# KiCad board Video Board - Memory.kicad_pcb (continued)
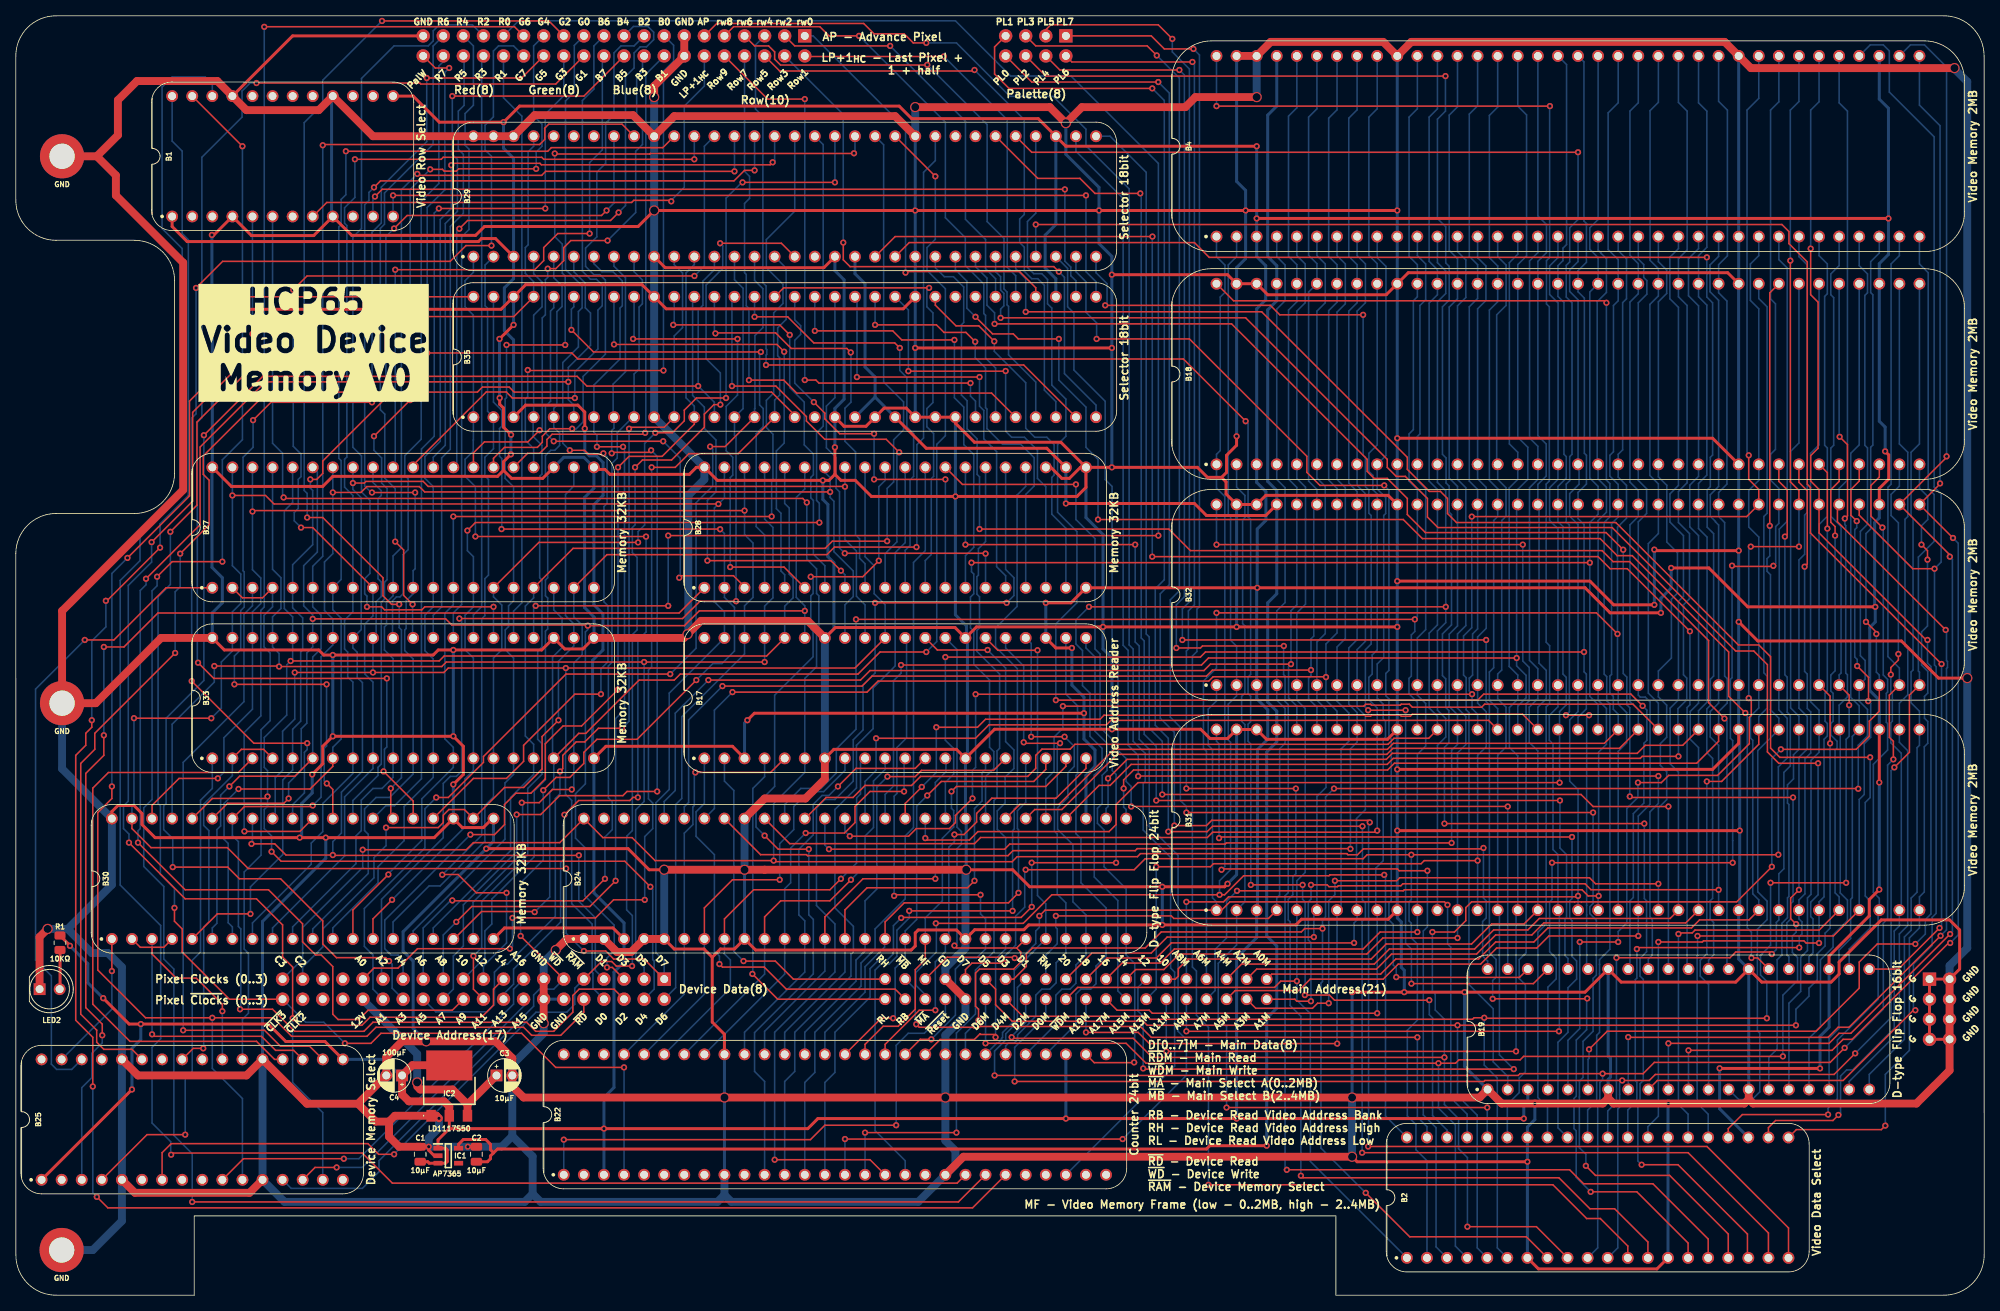
[diagram p0: board, top side]
## Routing (per net, layer and track width the routed paths; a pad name or vN(x,y) marks a point on that pad's centre or on a via; arc(x,y) is an arc through that point) (continued)
/AD0: length 137.4
  Top w0.2: v1(79.54,50.04) 75.6,50.04 73.31,47.75 v1(62.81,47.75) ; v1(62.48,43.85) 50.8,43.85 48.34,41.4 45.3,41.4 J4.31 ; v1(80.41,104.78) 83.4,104.78 85.14,106.52 91.36,106.52 B35.16
  Bottom w0.2: v1(62.81,47.75) 62.81,44.18 v1(62.48,43.85) ; B29.16 97.42,129.99 97.42,123.5 96.35,122.43 96.35,118.9 96.6,118.64 96.6,113.92 95.97,113.28 B35.16 ; v1(80.41,104.78) 80.41,79.53 80.01,79.12 80.01,62.83 80.55,62.28 80.55,59.06 79.54,58.04 v1(79.54,50.04)
/AD1: length 126.3
  Top w0.2: v1(87.81,107.4) 89.71,107.4 B35.15 ; v1(53.17,62.99) 54.69,62.99 59.14,67.44 59.14,68.17 69.58,78.61 v1(82.76,78.61)
  Bottom w0.2: v1(87.81,107.4) 88.14,107.08 88.14,102.4 86.03,100.3 86.03,81.88 v1(82.76,78.61) ; J4.30 45.17,38.74 45.17,43.05 44.08,44.14 44.08,48.95 51.74,56.61 51.74,61.56 v1(53.17,62.99) ; B29.15 93.43,128.44 94.48,127.39 94.48,122.46 93.47,121.46 93.47,112.23 93.43,112.19 B35.15
/AD2: length 130.7
  Top w0.2: v1(56.09,85.64) 84.32,85.64 86.52,87.83 v1(91.09,87.83)
  Bottom w0.2: v1(56.09,85.64) 56.38,85.35 56.38,66.33 55.71,65.66 54.95,65.66 54.06,64.77 54.06,57.91 46.25,50.1 46.25,40.2 ; B29.14 90.89,128.52 91.97,127.44 91.97,112.21 B35.14 90.89,108.84 91.08,108.65 91.08,87.85 v1(91.09,87.83)
/AD3: length 184.9
  Top w0.2: v1(19.85,54.18) 26.8,54.18 28.28,52.71 33.49,52.71 38.82,47.37 38.82,44.45 40.55,42.72 46.78,42.72 v1(47.2,42.29) ; v1(86.3,115.06) 72.22,115.06 70.99,116.29 31.24,116.29 v1(23.78,108.84)
  Bottom w0.2: B35.13 88.35,113.01 v1(86.3,115.06) 86.3,124.69 86.9,125.29 86.9,128.34 88.35,129.79 B29.13 ; v1(23.78,108.84) 23.78,77.8 19.01,73.03 19.01,62.23 18.7,61.92 18.7,58.93 19.85,57.78 v1(19.85,54.18) ; v1(47.2,42.29) 47.59,41.9 47.59,38.86 J4.28
/AD4: length 116.7
  Top w0.2: v1(76.16,76.65) 71.55,72.04 69.21,72.04 66.96,69.8 66.96,65.35 65.14,63.53 63.24,63.53 61.81,62.1 61.81,59.56 60.54,58.29 v1(57.49,58.29) ; B35.12 85.81,110.24 81.75,106.17 77.55,106.17 v1(76.16,104.78)
  Bottom w0.2: v1(57.49,58.29) 46.66,47.46 46.66,43.85 47.46,43.05 48.34,43.05 48.98,42.42 J4.27 ; v1(76.16,104.78) v1(76.16,76.65) ; B35.12 85.81,112.52 84.76,113.57 84.76,129.38 85.81,130.43 B29.12
/AD5: length 120.2
  Top w0.2: B35.11 81.99,109.85 77.74,109.85 v1(77.55,109.67) ; v1(68.82,66.29) 69.17,66.64 69.17,68.33 70.87,70.03 71.95,70.03 73.68,71.76 v1(76.67,71.76)
  Bottom w0.2: v1(76.67,71.76) 77.55,72.64 v1(77.55,109.67) ; J4.26 53.12,35.86 59.57,35.86 60.53,36.82 60.53,40.89 61.55,41.91 62.19,41.91 68.23,47.96 68.23,62.87 68.82,63.45 v1(68.82,66.29) ; B29.11 83.27,130.43 84.32,129.38 84.32,122.46 83.27,121.41 B35.11
/AD6: length 113.6
  Top w0.2: v1(55.2,49.96) 55.25,49.91 71.71,49.91 v1(74.51,52.71)
  Bottom w0.2: v1(74.51,52.71) 74.51,58 75.44,58.93 75.44,62.44 74.94,62.94 74.94,79.65 75.4,80.1 75.4,105.28 76.06,105.95 76.06,109.16 78.02,111.13 ; v1(55.2,49.96) 55,49.96 51.52,46.48 J4.25 ; B35.9 78.19,116.59 78.82,117.22 78.82,125.06 79.24,125.48 79.24,128.49 78.19,129.54 B29.9
/AD7: length 121
  Top w0.2: v1(75.36,106.55) 75.48,106.68 80.09,106.68 v1(80.35,106.93) ; v1(63.34,60.83) 66.38,60.83 68.77,63.22 76.77,63.22 77.3,63.75 v1(81.11,63.75)
  Bottom w0.2: B29.8 75.65,130.23 77.1,128.78 77.1,116.87 75.54,115.32 75.54,111.23 ; v1(75.36,106.55) 75.36,109.44 75.65,109.73 B35.8 ; v1(80.35,106.93) 81.11,106.17 v1(81.11,63.75) ; v1(63.34,60.83) 63.34,56.15 56.6,49.4 56.6,44.2 55.33,42.93 55.33,38.74 J4.24
/AD8: length 117
  Top w0.2: v1(75.85,52.45) 72.59,49.19 57.66,49.19 v1(55.71,47.24) ; v1(76.79,107.38) v1(73.49,107.38)
  Bottom w0.2: v1(76.79,107.38) 76.98,107.19 76.98,74.1 75.85,72.98 v1(75.85,52.45) ; v1(73.49,107.38) 73.49,108.84 73.11,109.22 B35.7 73.11,115.19 76.41,118.49 76.41,124.93 76.7,125.22 76.7,128.36 75.52,129.54 74.13,129.54 73.11,130.56 B29.7 ; v1(55.71,47.24) 54.06,45.59 J4.23
/AD9: length 182.3
  Top w0.2: v1(69.87,115.59) 31.55,115.59 23.31,107.35 23.31,97.52 v1(16.47,90.68) ; J4.22 55.2,36.07 44.55,36.07 43.37,34.89 40.76,34.89 40.09,35.56 40.09,41.59 38.62,43.06 37.92,43.06 36.26,44.72 36.26,47.01 31.96,51.31 21.42,51.31 v1(15.45,57.28)
  Bottom w0.2: B29.6 70.57,129.54 72.02,128.09 72.02,124.97 72.68,124.31 72.68,120.22 69.87,117.41 v1(69.87,115.59) 69.87,113.35 70.57,112.65 B35.6 ; v1(15.45,57.28) 15.45,58.77 15.74,59.06 15.74,89.19 16.47,89.92 v1(16.47,90.68)
/AD10: length 98.1
  Bottom w0.2: 68.03,131.11 68.03,128.78 69.08,127.73 69.08,125.13 68.43,124.48 68.43,112.65 68.03,112.25 B35.5 68.03,109.86 68.77,109.11 68.77,107.55 68.16,106.93 67.65,106.93 66.98,106.26 66.98,103.92 67.27,103.63 67.27,90.81 66.98,90.52 66.98,88.52 67.27,88.23 67.27,84.33 66.98,84.04 66.98,65.24 65.57,63.83 65.57,55.49 60.2,50.12 60.2,46.98 59.32,46.1 59.32,42.73 J4.21
/AD11: length 100.1
  Top w0.2: J4.20 57.87,38.74 v1(57.87,42.93)
  Bottom w0.2: B35.4 65.49,124.03 66.55,125.1 66.55,128.22 65.49,129.29 B29.4 ; 65.42,111.06 65.42,108.68 66.54,107.57 66.54,103.92 66.25,103.63 66.25,90.81 66.54,90.52 66.54,82.04 66,81.49 66,70.36 66.55,69.81 66.55,65.94 64.74,64.14 64.74,55.69 58.92,49.87 58.92,43.98 v1(57.87,42.93)
/AD12: length 103.4
  Top w0.2: v1(53.93,53.21) 53.96,53.25 55.93,53.25 58.25,50.93 v1(62.06,50.93)
  Bottom w0.2: v1(62.06,50.93) 62.06,44.58 59.14,41.66 J4.19 ; v1(53.93,53.21) 58.92,58.2 58.92,85.6 59.32,86 59.32,90.68 59.77,91.13 59.77,103.25 59.32,103.71 59.32,106.05 60.41,107.14 B35.2 59.66,111.87 59.66,124.91 59.35,125.22 59.35,130.38 B29.2
/AD13: length 128.4
  Top w0.2: v1(78.67,63) 78.05,63 77.66,62.61 71.18,62.61 v1(69.38,60.81) ; v1(79.7,96.01) 79.69,96.02 v1(58.12,96.02)
  Bottom w0.2: v1(78.67,63) 78.67,82.9 79.7,83.94 v1(79.7,96.01) ; 61.68,38.09 62.95,39.36 62.95,41.28 68.9,47.22 68.9,54.74 69.38,55.22 v1(69.38,60.81) ; B29.1 57.87,129.46 56.81,128.4 56.81,125.1 57.87,124.04 B35.1 57.87,108.24 57.85,108.22 57.85,106.82 56.82,105.79 56.82,103.63 58.12,102.33 v1(58.12,96.02)
/AD14: length 220.4
  Top w0.2: v1(17.17,95.31) 22.37,100.5 22.37,111.74 27.21,116.59 27.21,121.54 29.53,123.86 62.98,123.86 B35.61 ; v1(14.31,57.28) 21.42,50.17 30.44,50.17 33.74,46.86 33.74,42.8 35.01,41.53 v1(35.01,35.05) 35.9,34.16 43.77,34.16 44.79,35.18 58.89,35.18 60.41,36.7 60.41,38.74 J4.17
  Bottom w0.2: v1(35.01,35.05) 35.01,26.92 38.82,23.11 B25.15 ; B29.61 65.49,145.42 64.79,144.72 64.79,132.94 64.44,132.59 64.44,129.32 65.49,128.27 B35.61 ; v1(14.31,57.28) 14.31,58.36 13.62,59.06 13.62,61.92 14.22,62.53 14.22,89.83 17.17,92.78 v1(17.17,95.31)
/AD15: length 37.9
  Top w0.2: B25.14 37.84,16.17 v1(40.57,16.17)
  Bottom w0.2: J4.16 64.22,36.58 43.81,16.17 v1(40.57,16.17)
/AD16: length 49.7
  Top w0.2: v1(41.48,17.27) 28.79,17.27 B25.10
  Bottom w0.2: J4.15 62.95,38.74 62.95,36.84 43.38,17.27 v1(41.48,17.27)
/Advance Pixel: length 197.3
  Top w0.2: J3.11 88.65,160.96 107.22,160.96 108.54,159.64 112.35,159.64 113.5,158.5 v1(115.15,158.5)
  Bottom w0.2: v1(115.15,158.5) 118.96,158.5 125.72,151.73 131.19,151.73 135.34,147.57 135.34,145.48 140.8,140.02 140.8,82.3 141.31,81.79 141.31,70.1 142.83,68.58 142.83,65.02 142.58,64.77 142.58,58.87 146.04,55.41 146.04,41.4 146.55,40.89 146.55,28.99 132.8,15.24
/AM0: length 153.9
  Top w0.2: J2.1 158.83,40.64 172.61,40.64 174.51,42.55 185,42.55 187.16,44.7 191.98,44.7 193.76,46.48 211.92,46.48 212.94,47.5 219.19,47.5 B31.28
  Bottom w0.2: B31.28 220.43,50.04 219.67,50.8 219.67,70.23 219.38,70.52 219.38,73.27 220.43,74.33 B32.28 220.43,95.95 219.16,97.22 219.16,101.85 220.43,103.12 B18.28 220.43,124.84 219.37,125.9 219.37,130.51 220.43,131.57 B4.28
/AM1: length 160.7
  Top w0.2: J2.2 161.76,37.47 162.01,37.21 v1(163.79,37.21) ; v1(163.8,51.93) 165.85,51.93 166.08,51.7 167.13,51.7 167.25,51.82 175.16,51.82 175.41,52.07 198.46,52.07 199.21,51.32 215.21,51.32 215.22,51.31 v1(215.35,51.31)
  Bottom w0.2: B31.26 v1(215.35,51.31) 215.35,69.6 214.29,70.66 214.29,73.87 215.35,74.93 B32.26 215.35,97.48 214.95,97.88 214.95,97.94 214.3,98.59 214.3,101.31 215.35,102.36 B18.26 215.35,125.91 214.26,127 214.26,130.39 215.35,131.48 B4.26 ; v1(163.8,51.93) 163.8,50.12 163.46,49.78 163.46,44.96 163.79,44.63 v1(163.79,37.21)
/AM2: length 148.9
  Top w0.2: B31.25 211.19,47.12 193.25,47.12 191.73,45.59 187.16,45.59 184.74,43.18 173.99,43.18 172.08,41.28 156.93,41.28 J2.3
  Bottom w0.2: B31.25 212.81,69.31 211.76,70.36 211.76,73.88 212.81,74.93 B32.25 212.81,96.14 211.7,97.24 211.7,102.53 212.81,103.63 B18.25 212.81,125.22 211.54,126.49 211.54,131.19 212.81,132.46 B4.25
/AM3: length 158
  Top w0.2: v1(166.04,36.96) 164.63,36.96 163.99,36.32 156.81,36.32 J2.4 ; v1(207.73,52.07) 199.79,52.07 199.02,52.83 175.01,52.83 174.63,52.45 v1(166.82,52.45)
  Bottom w0.2: B4.23 207.73,130.81 208.78,129.76 208.78,126.78 207.73,125.73 B18.23 207.73,103.57 208.8,102.5 208.8,95.32 210.14,93.98 210.14,88.85 209.38,88.08 209.38,80.65 207.73,78.99 B32.23 207.73,75.73 208.78,74.68 208.78,70.61 207.98,69.81 207.98,67.06 208.78,66.26 208.78,62.72 207.73,61.66 v1(207.73,52.07) B31.23 ; v1(166.04,36.96) 166.04,49.91 166.82,50.69 v1(166.82,52.45)
/AM4: length 149.2
  Top w0.2: B31.24 209.22,47.68 192.68,47.68 191.22,46.23 186.9,46.23 184.49,43.82 173.71,43.82 171.81,41.91 155.02,41.91 J2.5
  Bottom w0.2: B31.24 210.27,66.21 209.22,67.26 209.22,74.3 210.27,75.35 B32.24 210.27,87.81 210.9,88.45 210.9,96.14 209.2,97.84 209.2,101.42 210.27,102.49 B18.24 210.27,125.03 209.18,126.11 209.18,131.38 210.27,132.46 B4.24
/AM5: length 147.3
  Top w0.2: v1(205.19,45.47) 193.89,45.47 192.36,43.94 187.28,43.94 185.25,41.91 174.84,41.91 172.93,40.01 163.7,40.01 162.25,38.55 154.21,38.55 J2.6
  Bottom w0.2: B4.22 205.19,131.13 205.88,130.44 205.88,128.81 206.28,128.41 206.28,126.69 205.19,125.6 B18.22 205.19,103.12 206.24,102.07 206.24,98.93 205.19,97.88 B32.22 205.19,75.95 205.44,75.69 206.08,75.69 206.68,75.09 206.68,62.13 205.19,60.64 B31.22 v1(205.19,45.47)
/AM6: length 186.6
  Top w0.2: v1(151.85,86.36) 199.89,86.36 v1(202.56,83.69)
  Bottom w0.2: J2.7 150.58,68.83 150.2,69.22 150.2,77.72 151.85,79.38 v1(151.85,86.36) ; 202.56,77.51 v1(202.56,83.69) 202.56,97.19 203.7,98.33 203.7,102.49 202.65,103.54 B18.21 202.65,106.43 203.21,106.99 203.21,125.62 203.7,126.11 203.7,131.15 202.65,132.21 B4.21 ; B32.21 202.65,74.8 203.72,73.73 203.72,69.9 202.65,68.83 B31.21
/AM7: length 149.2
  Top w0.2: v1(154.44,51.18) 175.47,51.18 175.6,51.31 198.08,51.31 198.85,50.53 v1(200.17,50.53)
  Bottom w0.2: J2.8 151.67,38.55 151.67,43.76 153.12,45.21 153.12,49.86 v1(154.44,51.18) ; B18.20 200.11,103.3 201.16,102.25 201.16,99.1 200.11,98.04 B32.20 200.11,75.31 201.16,74.26 201.16,69.72 200.17,68.74 v1(200.17,50.53) 200.11,50.47 B31.20 ; B4.20 200.11,132.26 200.51,131.86 200.51,131.84 201.16,131.19 201.16,126.91 199.99,125.74 199.99,105.27
/AM8: length 147.4
  Top w0.2: v1(197.57,50.54) 197.47,50.43 197.45,50.43 197.44,50.42 153.37,50.42 152.74,49.78 v1(148.04,49.78)
  Bottom w0.2: J2.9 v1(148.04,49.78) ; B31.19 v1(197.57,50.54) 197.57,64.01 196.52,65.06 196.52,72.82 197.57,73.87 B32.19 197.57,97.54 196.52,98.59 196.52,101.45 197.7,102.63 197.7,105.03 ; B18.19 197.57,125.98 196.51,127.04 196.51,129.75 197.57,130.81 B4.19
/AM9: length 154.2
  Top w0.2: v1(148.04,33.4) v1(195.16,33.4)
  Bottom w0.2: 195.05,105.18 195.05,125.58 193.98,126.65 193.98,130.27 195.03,131.32 B4.18 ; 195.21,48.55 195.21,33.73 195.16,33.68 v1(195.16,33.4) ; B18.18 195.03,103.25 193.98,102.2 193.98,98.04 195.03,96.99 B32.18 195.03,74.47 193.94,73.38 193.94,70.23 194.41,69.77 194.41,56.4 195.03,55.78 B31.18 ; J2.10 v1(148.04,33.4)
/AM10: length 139.1
  Top w0.2: B31.17 190.75,46.99 186.65,46.99 184.11,44.45 173.31,44.45 171.41,42.55 148.24,42.55 147.02,41.32 147.02,40.38 146.64,40.01 J2.11
  Bottom w0.2: 192.49,133.98 192.49,131.95 191.44,130.9 191.44,108.49 192.49,107.44 B18.17 192.49,103.25 191.43,102.19 191.43,80.34 192.49,79.28 B32.17 192.49,75.51 191.4,74.42 191.4,69.98 192.49,68.89 B31.17
/AM11: length 156.4
  Top w0.2: v1(145.5,30.86) v1(189.73,30.86)
  Bottom w0.2: B31.16 189.95,68.27 188.89,69.33 188.89,74.38 189.95,75.44 B32.16 189.95,78.49 188.86,79.57 188.86,102.16 189.95,103.25 B18.16 189.95,106.68 188.89,107.74 188.89,130.68 189.95,131.75 B4.16 ; 189.73,48.51 v1(189.73,30.86) ; J2.12 v1(145.5,30.86)
/AM12: length 167.4
  Top w0.2: v1(189.44,28.61) 142.67,28.61 v1(142.58,28.7)
  Bottom w0.2: B31.15 187.41,68.33 188.46,69.38 188.46,74.42 187.41,75.47 B32.15 187.41,78.61 187.92,79.12 187.92,98.04 188.46,98.59 188.46,102.2 187.41,103.25 B18.15 ; 187.63,48.52 187.63,30.42 v1(189.44,28.61) ; v1(142.58,28.7) 142.58,35.31 141.91,35.98 141.91,38.95 J2.13 ; B4.15 187.41,131.45 188.47,130.38 188.47,125.27 187.28,124.08 187.28,105.28
/AM13: length 146.2
  Top w0.2: v1(184.87,55) 178.11,55 177.72,54.61 151.47,54.61 151.09,54.23 v1(144.23,54.23)
  Bottom w0.2: v1(144.23,54.23) 144.23,38.74 J2.14 ; B31.14 v1(184.87,55) 184.87,68.33 185.96,69.42 185.96,73.84 184.87,74.93 B32.14 184.87,83.31 185.96,84.4 185.96,102.24 184.87,103.32 B18.14 184.87,124.84 185.92,125.89 185.92,130.27 184.87,131.32 B4.14
/AM14: length 135.5
  Top w0.2: v1(182.33,45.21) 172.89,45.21 170.86,43.18 147.15,43.18 145.19,41.22 141.63,41.22 J2.15
  Bottom w0.2: B4.13 182.33,132.08 183.38,131.03 183.38,126.27 182.33,125.22 B18.13 182.33,103.25 183.38,102.2 183.38,84.74 182.33,83.69 B32.13 182.33,74.3 183.38,73.25 183.38,69.68 182.33,68.63 B31.13 v1(182.33,45.21)
/AM15: length 186.8
  Top w0.2: v1(180.84,87.12) v1(135.72,87.12)
  Bottom w0.2: J2.16 139.37,38.52 139.37,49.95 136.39,52.92 136.39,65.82 137.37,66.8 137.37,69.22 135.85,70.74 135.85,76.2 134.9,77.14 134.9,81.59 134.07,82.42 134.07,85.47 v1(135.72,87.12) ; B31.12 179.79,69.6 180.84,70.65 180.84,72.99 179.79,74.04 B32.12 179.79,84.07 180.84,85.13 v1(180.84,87.12) 180.84,101.82 179.79,102.87 B18.12 179.79,125.73 180.84,126.78 180.84,129.63 179.79,130.68 B4.12
/AM16: length 132.5
  Top w0.2: J2.17 139.91,42.04 144.74,42.04 146.52,43.82 170.39,43.82 172.54,45.96 v1(177.25,45.96)
  Bottom w0.2: B4.11 177.25,131.57 178.3,130.52 178.3,125.98 177.58,125.26 177.58,109.01 177.25,108.68 B18.11 177.25,103.12 178.3,102.07 178.3,84.24 177.25,83.19 B32.11 177.25,75.95 178.3,74.89 178.3,69.5 177.25,68.45 B31.11 v1(177.25,45.96)
/AM17: length 135.9
  Top w0.2: J2.18 139.28,36.07 143.34,36.07 143.72,35.69 v1(172.17,35.69)
  Bottom w0.2: 171.99,48.91 171.99,54.05 172.93,54.99 172.93,70.32 173.22,70.61 173.22,72.67 172.93,72.96 172.93,74.8 172.17,75.57 B32.9 172.17,79.88 172.99,80.71 172.99,98.68 173.25,98.93 173.25,100.95 172.17,102.03 B18.9 173.28,106.27 173.28,130.21 172.17,131.32 B4.9 ; v1(172.17,35.69) B31.9
/AM18: length 127.9
  Top w0.2: J2.19 138.01,42.67 144.23,42.67 146.15,44.59 v1(169.25,44.59)
  Bottom w0.2: B4.8 169.63,131.57 170.68,130.52 170.68,125.6 169.63,124.55 B18.8 169.63,102.49 170.68,101.44 170.68,82.76 169.63,81.71 B32.8 169.63,74.38 170.68,73.33 170.68,61.45 169.55,60.33 169.55,48.81 ; v1(169.25,44.59) 169.25,47.12 169.63,47.5 B31.8
/AM19: length 141.7
  Top w0.2: v1(135.34,33.26) 141.94,33.26 143.36,31.84 v1(167.11,31.84)
  Bottom w0.2: v1(135.34,33.26) J2.20 ; B4.7 167.09,131.57 168.14,130.52 168.14,125.48 167.09,124.42 B18.7 167.09,103.25 168.14,102.2 168.14,83.09 167.09,82.04 B32.7 167.09,75.18 168.58,73.69 168.58,70.1 167.6,69.12 167.6,49.24 B31.7 167.09,31.87 v1(167.11,31.84)
/AM20: length 124.4
  Top w0.2: v1(164.16,45.33) 145.61,45.33 143.59,43.31 136.1,43.31 J2.21
  Bottom w0.2: B4.6 164.55,131.57 165.6,130.52 165.6,125.6 164.55,124.55 B18.6 164.55,103.41 165.6,102.36 165.6,83.73 164.55,82.68 B32.6 164.55,75.31 165.69,74.17 165.69,64.26 164.55,63.12 164.55,48.81 ; v1(164.16,45.33) 164.16,48.34
/Blue0: length 73.4
  Top w0.2: v1(64.74,117.09) 64.8,117.03 v1(81.91,117.03)
  Bottom w0.2: B27.24 65.49,107.15 64.44,108.2 64.44,113.41 64.74,113.71 v1(64.74,117.09) ; J3.15 83.19,158.19 83.19,156.19 81.91,154.91 v1(81.91,117.03)
/Blue1: length 67.6
  Top w0.2: v1(79.59,109.15) 79.41,108.97 67.83,108.97 67.17,108.3 67.17,107.47 66.25,106.55 64.73,106.55 B27.25
  Bottom w0.2: v1(79.59,109.15) 79.67,109.23 79.67,154.52 J3.16
/Blue2: length 70.4
  Top w0.2: B27.26 60.41,105.92 61.8,107.31 65.96,107.31 66.58,107.93 66.58,108.71 67.54,109.67 v1(70.36,109.67)
  Bottom w0.2: J3.17 78.19,158.12 76.53,158.12 75.65,157.23 75.65,149.39 74.59,148.34 74.59,143.25 73.48,142.14 73.48,133.95 72.06,132.53 72.06,130.21 73.11,129.16 73.87,129.16 74.56,128.47 74.56,119.1 71.74,116.28 71.74,110.52 70.89,109.67 v1(70.36,109.67)
/Blue3: length 67.9
  Top w0.2: v1(74.84,133.48) 70.19,133.48 69.3,132.59 69.3,130.94 68.28,129.92 v1(67.27,129.92) ; B27.27 57.87,106.6 59.26,107.99 64.76,107.99 v1(66.24,109.47)
  Bottom w0.2: 79.26,156.64 79.26,154.91 78.52,154.18 78.52,148.56 79.26,147.83 79.26,145.64 78.39,144.78 78.39,137.03 v1(74.84,133.48) ; v1(67.27,129.92) 67.27,128.82 66.97,128.52 66.97,124.08 66.58,123.69 66.58,109.81 v1(66.24,109.47)
/Blue4: length 80.6
  Top w0.2: v1(56.09,134.98) 57.13,136.02 75.22,136.02 v1(76.23,137.03)
  Bottom w0.2: J3.19 78.11,160.58 79.94,160.58 80.67,159.84 80.67,158.91 79.76,158 78.97,158 78.19,157.22 78.19,155.32 77.11,154.24 77.11,137.91 v1(76.23,137.03) ; 55.77,105.21 55.77,134.65 v1(56.09,134.98)
/Blue5: length 72.3
  Top w0.2: J3.20 71.84,151.77 v1(55.2,151.77)
  Bottom w0.2: v1(55.2,151.77) 55.2,144.4 55.85,143.75 55.85,137.17 54.31,135.64 54.31,107.57 52.79,106.05 B27.29
/Blue6: length 74.5
  Top w0.2: v1(70.7,113.55) 62.79,113.55 62.03,114.31 59.5,114.31 50.25,105.06
  Bottom w0.2: J3.21 73.11,158.12 73.11,152.65 71.65,151.2 71.65,129.6 72.66,128.59 73.43,128.59 74.16,127.85 74.16,125.22 73.62,124.68 73.62,119.76 70.7,116.84 v1(70.7,113.55)
/Blue7: length 75.1
  Top w0.2: v1(47.98,129.79) 65.61,129.79 66.76,130.94 66.76,132.59 68.54,134.37 v1(72.57,134.37)
  Bottom w0.2: 74.18,156.64 74.18,144.96 72.57,143.35 v1(72.57,134.37) ; v1(47.98,129.79) 47.98,105.05
/CLK2: length 88.6
  Top w0.2: v1(68.63,72.77) 66.56,70.7 66.56,66.6 64.22,64.26 61.81,64.26 B30.22 56.73,61.47 54.77,61.47 54.06,60.76 54.06,59.81 53.43,59.18 v1(46.82,59.18)
  Bottom w0.2: J4.37 36.28,41.53 38.82,44.07 38.82,46.36 45.3,52.83 45.3,55.37 46.82,56.9 v1(46.82,59.18) ; B27.22 70.57,102.4 69.52,101.35 69.52,86.02 70.57,84.96 B33.22 70.57,82.17 68.63,80.23 v1(68.63,72.77)
/CLK3: length 333.9
  Top w0.2: v1(43.87,56.38) 56.97,56.38 57.87,57.28 68.79,57.28 B24.56 74.25,57.91 77.94,57.91 80.84,55 v1(95.84,55) 95.98,54.86 126,54.86 126.63,55.5 141.84,55.5 142.23,55.88 168.34,55.88 168.48,55.74 169.67,55.74 170.42,56.49 185.49,56.49 v1(185.61,56.61) ; v1(33.87,100.97) 33.99,100.84 99.52,100.84 v1(100.03,100.33)
  Bottom w0.2: B1.6 32.47,107.82 33.74,106.55 33.74,101.09 v1(33.87,100.97) ; v1(100.03,100.33) 100.03,93.16 101.27,91.93 101.27,88.81 101.56,88.52 101.56,84.2 101.27,83.91 101.27,79.54 99.78,78.05 B17.6 99.78,66.17 95.84,62.23 v1(95.84,55) ; v1(185.61,56.61) 185.61,50.26 185.96,49.91 185.96,47.75 185.5,47.3 185.5,42.93 186.14,42.29 B19.40 ; v1(43.87,56.38) 43.87,54.14 36.28,46.55 36.28,42.55 J4.39
/DC0: length 109.5
  Top w0.2: v1(126.06,48.64) v1(112.99,48.64)
  Bottom w0.2: v1(126.06,48.64) 126.06,58.79 126.27,59 126.27,61.54 126.67,61.94 126.67,79.28 123.91,82.04 123.91,84.46 126.63,87.18 126.63,101.27 127.72,102.36 B28.24 ; v1(112.99,48.64) 112.99,47.75 111.43,46.19 111.43,42.89 110.45,41.91 109.43,41.91 108.67,41.15 108.67,20.83 112.48,17.02 112.48,15.24
/DC1: length 127.8
  Top w0.2: v1(108.67,87.63) v1(125.31,87.63) ; v1(95.97,17.15) 108.03,17.15 109.94,15.24
  Bottom w0.2: v1(108.67,87.63) 108.67,78.74 107.15,77.22 107.15,71.54 105.91,70.3 105.91,65.06 103.59,62.74 102.32,62.74 101.26,61.68 101.26,49.32 103.59,46.99 103.59,40.89 95.97,33.27 v1(95.97,17.15) ; v1(125.31,87.63) 126.23,88.55 126.23,90.81 125.18,91.86 B28.25
/DC2: length 105.3
  Top w0.2: v1(107.4,20.57) v1(118.96,20.57)
  Bottom w0.2: B28.26 122.64,95.38 121.74,94.48 121.74,91.13 121.55,90.94 121.55,88.72 121.88,88.39 121.88,84.46 121.55,84.13 121.55,81.48 124.42,78.61 124.42,69.22 124.09,68.89 124.09,62.99 123.71,62.61 123.71,43.49 121.37,41.15 121.37,35.59 118.96,33.18 v1(118.96,20.57) ; v1(107.4,20.57) 107.4,15.24
/DC3: length 152.1
  Top w0.2: v1(120.1,95) v1(141.56,95) ; v1(104.86,19.76) v1(139.98,19.76)
  Bottom w0.2: 104.86,15.24 v1(104.86,19.76) ; B28.27 v1(120.1,95) ; v1(139.98,19.76) 148.04,27.82 148.04,32.35 146.99,33.4 146.99,55.66 143.34,59.31 143.34,69.09 142.07,70.36 142.07,82.17 141.56,82.68 v1(141.56,95)
/DC4: length 137.9
  Top w0.2: v1(128.47,54.74) v1(139.15,54.74) ; v1(111.97,47.75) 112.03,47.82 127.15,47.82 v1(128.48,49.15) ; v1(134.07,102.62) 119.72,102.62 B28.28
  Bottom w0.2: 102.32,15.24 102.32,26.92 103.59,28.19 103.59,33.27 108.03,37.72 108.03,41.33 109.02,42.31 110.09,42.31 110.99,43.21 110.99,46.77 v1(111.97,47.75) ; v1(128.48,49.15) 128.48,54.73 v1(128.47,54.74) ; v1(134.07,102.62) 134.07,98.17 136.48,95.76 136.48,81.79 137.12,81.15 137.12,71.88 138.66,70.34 138.66,66.4 139.15,65.91 v1(139.15,54.74)
/DC5: length 95.8
  Bottom w0.2: 99.78,15.24 99.78,26.92 101.05,28.19 101.05,33.27 106.89,39.12 106.89,42.04 108.67,43.82 108.67,46.36 112.48,50.17 112.48,58.13 113.53,59.18 113.53,92.74 115.02,94.23 B28.29
/DC6: length 97.8
  Bottom w0.2: B28.30 112.48,95.25 111.21,93.98 111.21,79.64 108.42,76.85 108.42,71.7 106.32,69.6 106.32,64.19 103.59,61.47 103.59,49.02 105.93,46.68 105.93,43.43 105.62,43.13 105.62,40.39 98.51,33.27 98.51,28.32 97.24,27.05 97.24,15.24
/DC7: length 109.5
  Top w0.2: v1(100.53,90.93) 107.11,90.93 v1(109.14,92.96) ; v1(94.7,58.17) 96.42,56.45 v1(100.29,56.45)
  Bottom w0.2: v1(94.7,58.17) 93.61,59.26 93.61,62.03 95.97,64.39 95.97,75.95 100.83,80.81 100.83,84.04 100.54,84.33 100.54,88.52 100.83,88.81 100.83,90.63 v1(100.53,90.93) ; v1(100.29,56.45) 100.29,48.13 100.86,47.56 100.86,40.67 93.43,33.24 93.43,28.32 94.7,27.05 94.7,15.24 ; v1(109.14,92.96) 109.14,102.33 109.94,103.12 B28.31
/DD0: length 188.9
  Top w0.2: B17.31 106.13,79.38 v1(69.55,79.38) 54.69,79.38 54.13,78.81 v1(45.17,78.81) v1(35.28,78.81)
  Bottom w0.2: 32.8,60.6 32.8,65.49 33.74,66.42 33.74,71.37 35.28,72.91 v1(35.28,78.81) ; B33.32 45.17,78.82 v1(45.17,78.81) ; v1(69.55,79.38) 69.55,68.87 69.52,68.83 69.52,63.41 70.3,62.63 70.3,49.56 72.89,46.97 72.89,40.86 72.99,40.76 72.99,38.86 J4.8 ; 45.57,83.59 45.57,87.78 46.22,88.43 46.22,90.26 45.8,90.68 45.8,100.8 46.22,101.22 46.22,101.82 45.17,102.87 B27.32 ; B28.32 107.4,93.47 108.55,92.32 108.55,88.78 109.94,87.4 B17.31
/DD1: length 199.5
  Top w0.2: v1(71.2,55.68) 71.2,55.67 40.13,55.67 v1(40.09,55.71) 34.16,55.71 32.75,57.12 v1(29.81,57.12) ; v1(42.63,102.79) 44.08,102.79 44.28,103 51.52,103 52.15,102.36 104.83,102.36 v1(104.86,102.33)
  Bottom w0.2: B30.33 29.93,57.24 v1(29.81,57.12) ; v1(40.09,55.71) 40.09,57.4 41.18,58.49 41.18,63.66 43.84,66.32 43.84,77.53 43.18,78.19 43.18,81.37 42.63,81.92 B33.33 43.68,84.24 43.68,100.93 42.63,101.98 v1(42.63,102.79) B27.33 ; B28.33 v1(104.86,102.33) 104.86,95.63 106.31,94.18 106.31,88.47 107.4,87.38 B17.32 ; v1(71.2,55.68) 71.2,49.86 73.29,47.78 73.29,41.1 J4.7
/DD2: length 221.2
  Top w0.2: v1(28.35,36.2) 32.47,36.2 35.26,33.4 44.03,33.4 45.17,34.54 64.6,34.54 65.74,33.4 68.03,33.4 70.45,35.82 70.45,37.94 71.24,38.74 75.65,38.74 J4.6 ; B30.34 28.91,61.85 37.42,61.85 v1(37.55,61.98) ; v1(102.98,101.66) 51.71,101.66 51.03,102.34 44.39,102.34 43.65,101.6 v1(40.09,101.6)
  Bottom w0.2: B17.33 104.86,87.38 105.91,88.43 105.91,91.66 103.46,94.11 103.46,100.49 102.98,100.97 v1(102.98,101.66) 102.98,103.48 102.32,104.14 ; v1(37.55,61.98) 38.6,63.03 38.6,80.81 40.09,82.3 B33.34 40.09,85.6 39.04,86.65 39.04,92.8 40.09,93.85 v1(40.09,101.6) B27.34 ; v1(28.35,36.2) 28.46,36.3 28.46,46.36 28.15,46.66 28.15,57.4 27.39,58.17 B30.34
/DD3: length 190.2
  Top w0.2: v1(99.78,86.61) 86.44,86.61 84.57,84.74 v1(72.33,84.74) 72.25,84.82 55.15,84.82 54.37,85.6 v1(37.55,85.6) ; J4.5 75.44,41.48 v1(74.76,41.48) ; B30.35 26.78,62.26 33.9,62.26 v1(34.5,62.87)
  Bottom w0.2: v1(72.33,84.74) 72.33,84.25 72.03,83.95 72.03,64.72 70.78,63.47 70.78,57.85 71.97,56.66 71.97,50.54 75.68,46.84 75.68,43.59 74.76,42.67 v1(74.76,41.48) ; B28.35 99.78,102.05 98.7,100.97 98.7,88.33 99.78,87.25 v1(99.78,86.61) B17.35 ; v1(34.5,62.87) 34.5,64.82 36.1,66.42 36.1,71.69 36.8,72.39 36.8,81.29 37.55,82.04 B33.35 v1(37.55,85.6) 37.55,86.11 36.41,87.25 36.41,92.33 38.13,94.06 38.13,104.19 B27.35
/DD4: length 213.3
  Top w0.2: v1(80.25,51.69) 77.01,54.93 33.55,54.93 v1(32.34,56.13) ; B30.36 24.86,62.87 31.59,62.87 v1(31.83,63.12) ; v1(34.76,80.26) 34.77,80.28 53.55,80.28 54.17,80.9 94.95,80.9 B17.36
  Bottom w0.2: B17.36 97.24,87.21 98.3,88.27 98.3,90.76 97.81,91.25 97.81,99.63 97.24,100.2 B28.36 ; B27.36 35.01,100.33 33.96,99.28 33.96,86.9 35.01,85.85 B33.36 35.01,80.52 v1(34.76,80.26) 34.26,79.77 34.26,73.42 31.42,70.58 31.42,66.8 31.83,66.39 v1(31.83,63.12) 31.83,61.88 31.42,61.47 31.42,59.06 32.34,58.13 v1(32.34,56.13) ; v1(80.25,51.69) 80.55,51.39 80.55,42.47 80.73,42.29 80.73,38.74 J4.4
/DD5: length 184.3
  Top w0.2: v1(94.7,80.14) v1(79.46,80.14) 54.44,80.14 53.87,79.56 v1(33.29,79.56) 33.23,79.63 v1(25.1,79.63)
  Bottom w0.2: B27.37 32.47,91.87 33.53,90.81 33.53,86.92 32.47,85.85 B33.37 32.47,82.04 33.29,81.22 v1(33.29,79.56) ; v1(94.7,80.14) B17.37 94.7,87.21 95.75,88.27 95.75,97.17 94.7,98.23 B28.37 ; B30.37 19.77,72.26 25.1,77.6 v1(25.1,79.63) ; v1(79.46,80.14) 79.46,62.48 78.39,61.42 78.39,42.57 79.46,41.5 J4.3